# Allegro board WDMB-0007B-V02.brd (continued)
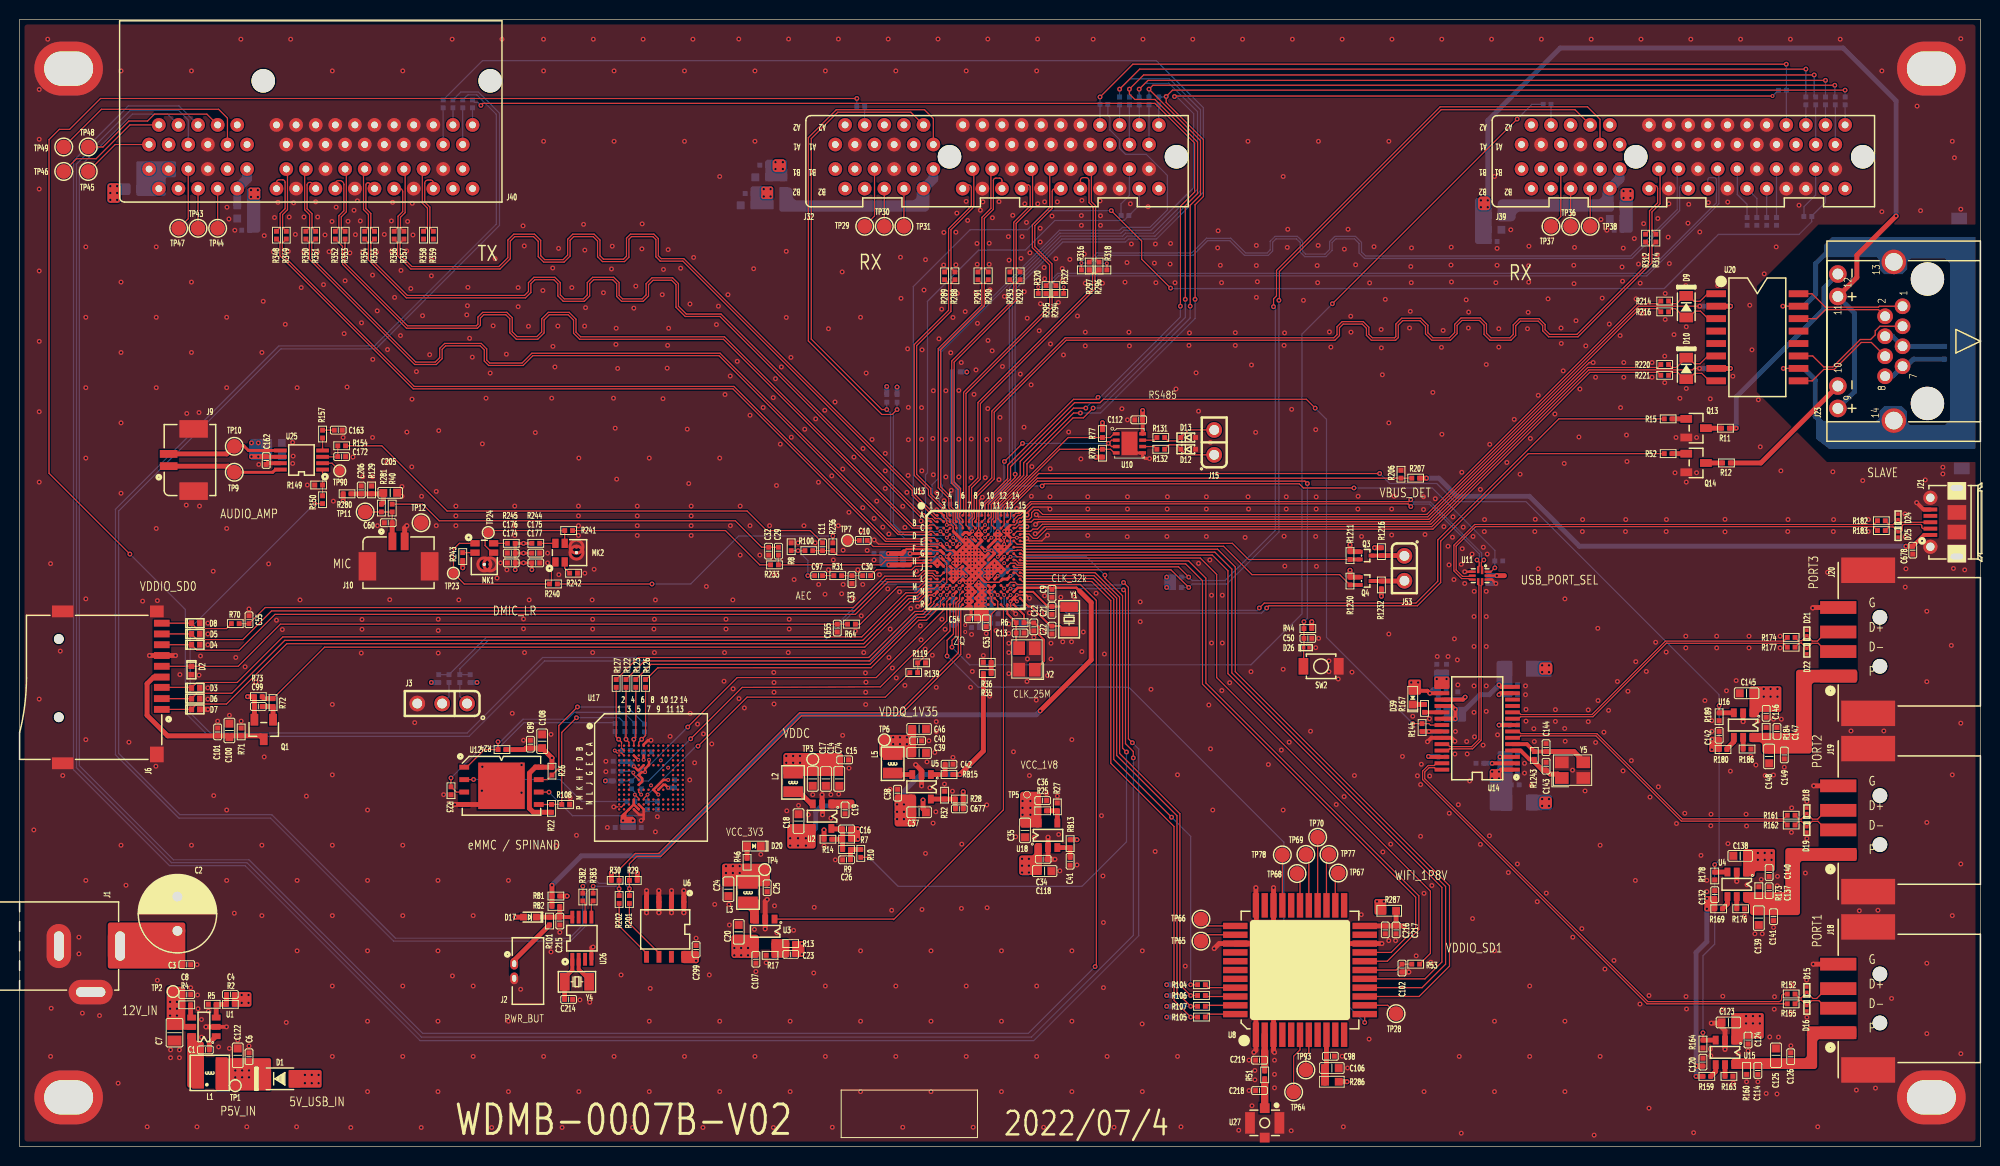
[diagram p0: board, top side]
## Routing (per net, layer and track width the routed paths; a pad name or vN(x,y) marks a point on that pad's centre or on a via; arc(x,y) is an arc through that point) (continued)
UART_CTS: length 3.2
  TOP w0.125: U8.41 121.25,16.2 R104.1
UART_RTS: length 3.2
  TOP w0.125: R105.1 121.25,13.5 U8.44
UART_RX: length 3.1
  TOP w0.125: U8.42 121.05,15.3 R106.1
UART_TX: length 3.1
  TOP w0.125: U8.43 121.05,14.4 R107.1
UPDATE: length 51.9
  TOP w0.125: v2(131,53.55) R44.2 C50.1 131,50.9 D26.N 130.97,49.02 SW2.1 ; U13.B13 101.08,64.08 101.08,65.15 103.83,67.9 131.1,67.9 v2(131.35,67.65)
  BOTTOM w0.125: v2(131,53.55) 131.35,53.9 v2(131.35,67.65)
USB_1P8V: length 13.8
  TOP w0.4: U14.20 v2(146.45,43.65) v2(146.45,44.6) 146.1,44.95 U14.18 ; U14.14 151.1,46.9 v2(150.9,47.1)
  BOTTOM w0.4: C672.2 v2(146.45,44.6) ; v2(146.45,43.65) 146.4,43.6 C670.2
  BOTTOM w0.5: C671.2 v2(150.9,47.1) 149.9,46.1 148.95,46.1 147.45,44.6 v2(146.45,44.6)
USB_3P3V: length 50.1
  TOP w0.25: U11.9 v2(150.68,58.25)
  TOP w0.4: v2(150.9,46.1) 151.05,46.25 U14.13 ; v2(150.9,38.25) 151.1,38.45 U14.1 ; v2(143.7,39.8) 143.75,39.75 U14.26 ; v2(151,39.75) U14.3 ; U14.16 v2(143.85,46.25) 143.6,46.5 D39.P ; U14.22 v2(143.75,42.35) ; U14.8 v2(150.9,43)
  TOP w0.5: v2(143.75,42.35) R144.2 ; v2(171,8.2) C120.1 ; 151.45,58.25 v2(150.68,58.25) ; v2(172.6,40.5) R180.2 C142.1 v2(172.6,41.55) ; R159.2 v2(171,7.15) ; v2(172.1,25.3) C132.1 R169.2 v2(172.1,24.25)
  BOTTOM w0.5: v2(143.7,39.8) 144.65,39.8 C669.2 ; C134.2 C130.2 C121.2 ; v2(142.65,47.35) v2(141.95,47.35) ; v2(143.85,46.25) 144.2,46.6 C136.2 R171.2 ; v2(171,7.15) v2(171,8.2) 171,19.8 172.1,20.9 v2(172.1,24.25) ; C127.2 v2(143.75,42.35) ; C121.2 151.15,38.05 150.95,38.25 v2(150.9,38.25) ; C121.2 152,36.9 151.85,36.9 ; v2(150.9,46.1) C133.2 ; v2(150.9,43) C135.2 ; v2(150.68,58.25) U11.9
  vias: v2(150.2,38.25) v2(150.2,37.55) v2(150.9,37.55)
USB_DM: length 52.5
  TOP w0.125: v2(141.9,65.3) 141.62,65.58 103.21,65.58 102.03,64.4 101.85,64.4 101.4,63.95 U13.B14 ; v2(148.65,59.85) 148.88,59.62 148.88,59.25 148.78,59.15 U11.2
  BOTTOM w0.125: v2(148.65,59.85) 148.9,60.1 148.9,60.46 143.81,65.55 142.15,65.55 v2(141.9,65.3)
USB_DP: length 52.6
  TOP w0.125: 149.18,58.8 149.18,59.15 149.1,59.23 149.1,59.6 v2(149.35,59.85) ; v2(141.9,66) 141.7,65.8 103.11,65.8 101.94,64.62 101.62,64.62 U13.A14
  BOTTOM w0.125: v2(149.35,59.85) 149.12,60.08 149.12,60.55 143.9,65.78 142.12,65.78 v2(141.9,66)
USB_PORT_SEL: length 61.4
  TOP w0.125: U11.10 150.07,58.65 v2(150.47,59.05) ; U13.E10 v1(99.12,62.12) ; v2(136.1,67.2) 130.95,67.2 130.53,67.62 104.53,67.62 v2(104.3,67.4)
  BOTTOM w0.125: v2(136.1,67.2) 144.1,67.2 150.47,60.83 R21.2 v2(150.47,59.05) ; v1(99.12,62.12) 99.35,62.35 99.35,65.45 101.3,67.4 v2(104.3,67.4)
USB_VBUS_P1: length 3.2
  TOP w0.125: 182.68,11.38 182.35,11.38
  TOP w0.5: J18.1 182.9,11.6 182.68,11.38
USB_VBUS_P2: length 15
  TOP w0.5: C141.1 178.83,23.86 178.83,24.1 177.4,24.1 R173.2 C137.1 180.85,25.7 181.25,26.1 181.25,29.4 184.37,29.4 J19.1
USB_VBUS_P3: length 18.4
  TOP w0.5: R184.2 178.15,40.7 178.45,40.6 C148.1 178.45,40.35 C149.1 ; R184.2 176.75,41.95 U16.6 ; R184.2 C147.1 181.75,41.95 181.75,48 J20.1
WG2_D0: length 35.4
  TOP w0.125: R1211.1 125.35,59.9 123.7,61.55 102.55,61.55 102.35,61.75 102.1,61.75 U13.E15
  TOP w0.4: R1211.1 Q3.S
WG2_D1: length 37.2
  TOP w0.125: U13.E14 101.75,61.45 102.3,61.45 102.5,61.25 122.8,61.25 125.7,58.35 134.65,58.35 R1230.1
  TOP w0.4: R1230.1 Q4.S
WG_DATA0: length 3.4
  TOP w0.4: R1216.1 Q3.D
  TOP w0.5: J53.1 141.22,60.3 R1216.1
WG_DATA1: length 3.4
  TOP w0.4: R1232.1 Q4.D
  TOP w0.5: J53.2 141.22,57.7 R1232.1
WIFI_1P8V: length 5.6
  TOP w0.5: U8.22 C216.1 C217.1 ; C217.1 R287.2 ; C217.1 v2(141.25,22.5)
WIFI_3P3V: length 5.1
  TOP w0.5: U8.9 C98.1 133.3,7.9 C106.1
  TOP w0.8: R286.2 C106.1
WIFI_ANT: length 4.5
  TOP w0.125: C219.1 126.88,8.14 127,8.01
  TOP w0.5: R51.1 127,8.32
  TOP w0.65: U8.2 127,9.72
  TOP w0.75: 127,9.72 127,8.32
WIFI_CHIP_EN: length 71.2
  TOP w0.125: U13.P5 95.25,55.65 95.25,52.3 94.6,51.65 v2(94.6,50.05) ; U8.12 v2(137.2,12.65)
  BOTTOM w0.125: v2(94.6,50.05) 97.78,46.88 113.12,46.88 128.95,31.05 128.95,20.9 v2(137.2,12.65)
WIFI_SD1_CLK: length 70.8
  TOP w0.125: U13.G14 101.72,60.17 102.17,60.17 102.3,60.05 120.42,60.05 122.1,58.38 122.1,47.85 143.9,26.05 143.9,19.7 R53.2
WIFI_SD1_CMD: length 79.5
  TOP w0.125: U8.16 143.35,17.1 145.07,18.82 145.07,26.43 123.25,48.25 123.25,58.75 121.65,60.35 102.35,60.35 102.2,60.5 U13.G15
WIFI_SD1_D0: length 71.5
  TOP w0.125: U8.18 139.5,18.9 142.72,22.12 142.72,25.57 121,47.3 121,58 119.25,59.75 102.75,59.75 102.7,59.8 102.1,59.8 U13.H15
WIFI_SD1_D1: length 70.8
  TOP w0.125: U13.H14 101.6,59.85 101.91,59.54 102.61,59.54 102.7,59.45 118.94,59.45 120.65,57.74 120.65,47.17 142.4,25.43 142.4,22.3 139.9,19.8 U8.19
WIFI_SD1_D2: length 83.2
  TOP w0.125: U13.F14 102.25,61.15 102.45,60.95 122.19,60.95 124,59.14 124,48.45 145.85,26.6 145.85,18.4 142.75,15.3 U8.14
WIFI_SD1_D3: length 82.4
  TOP w0.125: U13.G13 101.06,60.81 101.7,60.81 101.75,60.86 102.19,60.86 102.4,60.65 121.91,60.65 123.65,58.91 123.65,48.33 145.45,26.52 145.45,18.6 143.05,16.2 U8.15
WLED_PWM: length 234.5
  TOP w0.125: v1(94.58,56.27) U13.N4 ; v2(85.4,106.95) 8.25,106.95 5.1,103.8 4.05,103.8 3,102.75 3,68.7 v2(11.25,60.45)
  BOTTOM w0.125: v1(94.58,56.27) 94.58,55.95 92.92,54.3 91.55,54.3 86.8,49.55 53.55,49.55 45.85,41.85 19.3,41.85 16.9,44.25 16.9,54.8 v2(11.25,60.45) ; R282.1 v2(85.4,106.95)
YEL_C: length 20.7
  TOP w0.5: R11.1 v1(175.1,73.3)
  BOTTOM w0.5: v1(175.1,73.3) 175.1,76.5 184.05,85.45 184.05,87.62 J23.12
N17616778: length 2
  TOP w0.075: 61.4,40.15 60.95,40.15
  TOP w0.125: 60.95,40.15 v1(60.7,40.4) ; U17.C2 61.4,40.15
  BOTTOM w0.125: C150.2 v1(60.7,40.4)
N18295917: length 2.3
  TOP w0.125: U17.H5 63.15,37.42 62.6,37.98 v1(62.6,38.15)
  BOTTOM w0.125: R141.1 62.45,38.3 v1(62.6,38.15)
N18642102: length 3.7
  TOP w0.125: 127,6.35 126.88,6.22 C218.1
  TOP w0.5: 127,6.35 R51.2
  TOP w0.75: U27.1 127,6.35
N19124516: length 1.6
  TOP w0.5: R11.2 Q13.C
N19124521: length 1.7
  TOP w0.5: R12.2 Q14.C
N19124553: length 1.4
  TOP w0.5: R15.1 Q13.B
N19124558: length 1.4
  TOP w0.5: R52.1 Q14.B
N20257705: length 6.7
  TOP w0.125: R201.2 62.2,22.75 65.22,19.73 65.22,19.35
N20257708: length 6.6
  TOP w0.125: U6.5 63.95,19.7 61.15,22.5 R202.2
N20362794: length 1.2
  TOP w0.5: R46.2 D20.P
N20554700: length 5.1
  TOP w0.125: R100.2 v2(79.4,60.8) R8.2 ; C97.1 v2(80.4,58.25)
  BOTTOM w0.125: v2(80.4,58.25) 80.4,59.8 v2(79.4,60.8)
N20625789: length 6.1
  TOP w0.125: TP64.1 129.95,9.2 130.6,9.85 U8.6
N20625806: length 3.8
  TOP w0.125: TP65.1 121.15,21.6 U8.35
N20625808: length 3.8
  TOP w0.125: U8.34 121.2,22.5 TP66.1
N20625841: length 3.4
  TOP w0.125: TP67.1 134.2,27.6 U8.24
N20625867: length 3.4
  TOP w0.125: TP68.1 130.6,27.55 U8.28
N20625875: length 5.3
  TOP w0.125: U8.27 131.5,29.5 TP69.1
N20625883: length 6.9
  TOP w0.125: TP70.1 U8.26
N20625885: length 5.3
  TOP w0.125: TP77.1 133.3,29.55 U8.25
N20726718: length 2.7
  TOP w0.125: U25.1 R149.1 R150.2
N20726792: length 11.8
  TOP w0.3: TP9.1 25.81,68.8 26.09,69.08 U25.8
  TOP w0.5: TP9.1 21.27,69.42 J9.1
N20726805: length 2.1
  TOP w0.125: TP90.1 31.88,69.72 U25.2
N20726821: length 2.7
  TOP w0.125: R154.2 C172.2 32.42,70.38 U25.3
N20726855: length 1.3
  TOP w0.125: R157.1 U25.4
N20726861: length 11.9
  TOP w0.3: TP10.1 21.95,71.5 22.86,71.5 23.34,71.03 U25.5
  TOP w0.5: TP10.1 21.12,70.67 J9.2
N20800875: length 3.7
  TOP w0.125: TP93.1 131.2,9.3 131.5,9.6 U8.7
N20812882: length 1.2
  TOP w0.125: C163.2 R157.2
N21235092: length 5.4
  TOP w0.5: J2.1 50.45,19 R101.1
N21260480: length 1.1
  TOP w0.125: R31.1 C97.2
N21277696: length 2.4
  BOTTOM w0.125: R16.1 43.8,45.9 J3.2
N21277698: length 2.5
  BOTTOM w0.125: R33.1 44.9,45.94 J3.1
N21280532: length 4
  TOP w0.3: U13.G1 v2(90.83,60.5)
  BOTTOM w0.5: C31.2 C119.2 90.78,60.5
N21280589: length 7.4
  TOP w0.125: C10.1 87.08,61.23 93.53,61.23 U13.F2
N21280592: length 1.2
  TOP w0.125: TP7.1 C10.2
N21282324: length 1.2
  TOP w0.3: v1(97.17,62.12) U13.E8
  BOTTOM w0.4: 97.08,61.48 97.08,62.02 v1(97.17,62.12)
N21289025: length 1.8
  TOP w0.3: v1(99.78,58.23) U13.L11
  BOTTOM w0.3: v1(99.78,58.23) 100.2,58.23 100.8,58.83 C96.1
N21349326: length 1.7
  TOP w0.5: C1.1 19.35,10.55 U1.1
N21349457: length 3.4
  TOP w0.5: U1.3 R5.1 R2.2 C4.1
N21349526: length 1.4
  TOP w0.5: R4.1 17.45,13.15 U1.4
N21350659: length 2.2
  TOP w0.5: 74.3,24.8 74.7,24.8 74.72,24.82 75.1,24.45 U3.3
N21350752: length 3.6
  TOP w0.5: R17.1 76.95,20.65 U3.5 R13.2 C23.1
N21352044: length 2.5
  TOP w0.5: L2.1 79.5,36.2 80.75,34.95 U2.3
N21352151: length 4.4
  TOP w0.5: R7.2 R14.1 ; R7.2 C16.1 82.8,32.4 U2.5 ; R7.2 R9.2
N21352228: length 2.1
  TOP w0.5: R10.2 R9.1 C26.1
N21353900: length 2.3
  TOP w0.5: U18.4 R27.2 R25.1
N21353935: length 2.3
  TOP w0.5: U18.3 RB13.1 C41.1
N21354887: length 2.1
  TOP w0.5: L5.1 89.2,37.95 U5.3
N21354977: length 3.5
  TOP w0.5: C677.1 R28.1 R32.2 U5.5
N21354987: length 2.5
  TOP w0.5: U5.1 RB15.1 C42.1
N21386689: length 2.5
  TOP w0.5: R72.2 25.85,44.71 ; 25.85,44.71 25.66,44.9 C99.2 ; 25.85,44.71 Q1.G
N21392506: length 2.9
  TOP w0.4: U14.2 v2(150.2,39.1)
  BOTTOM w0.5: v2(150.2,39.1) R166.2
N21393427: length 5.1
  TOP w0.125: J21.3 191.88,63.7 D24.N 191.07,63.45 190.7,63.45 R182.1
N21393464: length 5.9
  TOP w0.125: R183.1 190.68,63.23 191.1,63.23 D25.N 191.85,62.73 arc(191.97,62.78) 192.03,62.9 192.03,63.3 arc(192.08,63.42) 192.2,63.48 193.88,63.48 arc(193.98,63.43) 194.03,63.33 194.03,63.2 arc(194.07,63.09) 194.18,63.05 J21.2
N21394692: length 5.8
  TOP w0.125: U20.1 172.17,87.02 171.4,86.25 170.8,86.25 170.25,86.8 D9.N 169.8,86.8 169,86 168.47,86 R214.1
N21394737: length 6.5
  BOTTOM w0.5: R218.1 192.06,81.65 J23.5 191.04,82.69 J23.4
N21394814: length 5.9
  TOP w0.125: U20.3 172.22,84.48 171.45,85.25 170.9,85.25 170.25,84.6 D9.P 169.81,84.6 168.91,85.5 168.53,85.5 R216.1
N21394834: length 2.9
  TOP w0.125: U20.15 v2(179.85,85.75)
  BOTTOM w0.125: R217.2 v2(179.85,85.75)
N21394880: length 6
  TOP w0.125: R220.1 168.5,79.5 169,79.5 D10.N 170.2,80.5 170.82,79.88 171.41,79.88 172.2,80.67 U20.6
N21394933: length 5.8
  TOP w0.125: R221.1 168.5,79 169.12,79 169.82,78.3 D10.P 170.25,78.3 170.85,78.9 171.58,78.9 172.35,78.13 U20.8
N21394964: length 2.9
  TOP w0.125: 181.55,79.4 U20.10 v2(179.9,79.4)
  BOTTOM w0.125: R222.2 v2(179.9,79.4)
N21394972: length 6.8
  BOTTOM w0.5: R223.1 193.18,80.35 192.47,79.65 192.09,79.65 J23.7 191.04,78.61 J23.8
N21396949: length 1.4
  TOP w0.125: MK2.2 55.6,59 R242.1
N21396953: length 1.2
  TOP w0.125: R243.1 MK1.2
N21398811: length 1.9
  BOTTOM w0.125: R282.2 J32.A4
N21398846: length 6.3
  TOP w0.125: TP29.1 86.2,93.95 87.2,94.95 J32.B5
N21398875: length 3.8
  TOP w0.125: J32.B6 TP30.1
N21398958: length 19.6
  BOTTOM w0.5: J32.B10 92.2,96.5 91.75,96.05 R1249.1 R283.1
  BOTTOM w1: J32.B10 93.2,98.75 J32.B11
N21399034: length 10.9
  TOP w0.125: J32.B12 96.58,98.12 96.83,98.12 arc(97,98.05) 97.08,97.88 97.08,95.97 94.75,93.65 94.75,89.65 R289.1
N21399043: length 11.7
  TOP w0.125: R288.1 95,89.65 95,93.55 97.33,95.87 97.33,99.62 J32.B13
N21399076: length 11.1
  TOP w0.125: R291.1 98.15,89.65 98.15,94.81 99.08,95.74 99.08,99.62 J32.B15
N21399085: length 11.9
  TOP w0.125: J32.B16 100.2,98.58 arc(100.13,98.75) 99.95,98.83 99.58,98.83 arc(99.4,98.75) 99.33,98.58 99.33,95.64 98.4,94.71 98.4,89.65 R290.1
N21399128: length 10.7
  TOP w0.125: J32.B18 102.58,98.12 102.88,98.12 arc(103.02,98.07) 103.08,97.92 103.08,95.99 101.4,94.31 101.4,89.65 R293.1
N21399137: length 11.4
  TOP w0.125: J32.B19 103.33,99.62 103.33,95.89 101.65,94.21 101.65,89.65 R292.1
N21399188: length 13.6
  TOP w0.125: J32.B21 105.08,99.62 105.08,95.84 103.3,94.06 103.3,91.72 105.05,89.97 105.05,88.2 R295.1
N21399201: length 12.3
  TOP w0.125: R294.1 105.3,88.25 105.3,90.08 103.55,91.83 103.55,93.96 105.33,95.73 105.33,97.45 arc(105.41,97.66) 105.62,97.75 J32.B22
N21399240: length 10.7
  TOP w0.125: J32.B24 108.2,98.6 arc(108.28,98.79) 108.47,98.88 108.78,98.88 arc(108.99,98.79) 109.08,98.58 109.08,96.32 109.5,95.9 109.5,90.65 R297.1
N21399251: length 9.9
  TOP w0.125: J32.B25 109.33,99.62 109.33,96.43 109.75,96 109.75,90.6 R296.1
N21399314: length 2
  BOTTOM w0.125: R300.2 J32.A28
N21399330: length 5.1
  BOTTOM w0.125: R691.2 112.35,96.2 113.2,97.05 J32.B29
N21399333: length 4
  BOTTOM w0.125: R301.2 J32.A29
N21399350: length 2
  BOTTOM w0.125: R302.2 J32.A30
N21399366: length 4
  BOTTOM w0.125: R303.1 J32.A31
N21399378: length 2
  BOTTOM w0.125: R304.1 J32.A32
N21399559: length 2.1
  BOTTOM w0.125: R307.2 J39.A4
N21399589: length 6.3
  TOP w0.125: TP37.1 157.2,94.9 J39.B5
N21399606: length 3.8
  TOP w0.125: J39.B6 TP36.1
N21399687: length 13.9
  BOTTOM w0.5: R310.1 152.1,95.95 R1248.1
  BOTTOM w1: J39.B10 163.2,98.75 J39.B11
N21399773: length 6.4
  TOP w0.125: J39.B12 166.53,98.08 166.78,98.08 arc(166.99,97.99) 167.07,97.78 167.07,96.3 166.25,95.48 166.25,93.5 R312.1
N21399789: length 7.2
  TOP w0.125: R314.1 166.5,93.5 166.5,95.37 167.32,96.2 167.32,99.62 J39.B13
N21399847: length 74.7
  TOP w0.125: R316.1 v1(108.3,90.15)
  BOTTOM w0.125: v1(108.3,90.15) 109.2,90.15 109.5,90.45 109.5,90.8 109.88,91.19 119.56,91.19 121.06,92.69 123.54,92.69 125.04,91.19 127.25,91.19 127.56,91.5 127.56,92.38 128.06,92.88 130.34,92.88 130.88,92.33 130.88,91.36 131.18,91.06 133.14,91.06 133.62,91.55 133.62,92.34 134.16,92.88 136.26,92.88 136.88,92.26 136.88,91.29 137.29,90.88 164.34,90.88 169.07,95.61 169.07,99.62 J39.B15
N21399863: length 73.8
  TOP w0.125: R318.1 v1(110.9,90.12)
  BOTTOM w0.125: J39.B16 169.88,98.08 169.53,98.08 arc(169.38,98.02) 169.32,97.88 169.32,95.51 164.44,90.62 137.18,90.62 136.62,91.18 136.62,92.15 136.15,92.62 134.26,92.62 133.88,92.24 133.88,91.44 133.24,90.81 131.07,90.81 130.62,91.26 130.62,92.23 130.23,92.62 128.16,92.62 127.81,92.28 127.81,91.39 127.36,90.94 124.94,90.94 123.44,92.44 121.17,92.44 119.67,90.94 109.99,90.94 109.75,90.7 109.75,90.38 110,90.12 v1(110.9,90.12)
N21399921: length 78.1
  TOP w0.125: R320.1 v1(103.9,87.7)
  BOTTOM w0.125: J39.B18 172.2,98.67 arc(172.26,98.82) 172.4,98.88 172.82,98.88 arc(173,98.8) 173.07,98.62 173.07,96.3 165.88,89.1 105.89,89.1 105.25,88.46 105.25,87.88 105.07,87.7 v1(103.9,87.7)
N21399937: length 76.8
  TOP w0.125: R322.1 v1(106.5,87.7)
  BOTTOM w0.125: v1(106.5,87.7) 105.75,87.7 105.5,87.95 105.5,88.36 105.99,88.85 165.98,88.85 173.32,96.19 173.32,99.62 J39.B19
N21399992: length 5.4
  BOTTOM w0.125: J39.B21 175.2,97.15 176.2,96.15 R324.1
N21400005: length 3.4
  BOTTOM w0.125: J39.B22 177.2,96.75 R326.1
N21400060: length 3
  BOTTOM w0.125: R328.1 J39.B24
N21400073: length 5
  BOTTOM w0.125: R330.1 J39.B25
N21400163: length 5.3
  BOTTOM w0.125: R690.2 182,95.9 183.2,97.1 J39.B29
N21400166: length 4
  BOTTOM w0.125: R334.2 J39.A29
N21400183: length 2
  BOTTOM w0.125: R335.2 J39.A30
N21400199: length 4
  BOTTOM w0.125: R336.1 J39.A31
N21400211: length 2
  BOTTOM w0.125: R338.1 J39.A32
N21401311: length 4.4
  BOTTOM w1: J40.B3 J40.B1 13.2,98.75 J40.B2
N21401315: length 7.3
  TOP w0.125: J40.A1 9.75,102.25 TP45.1
N21401331: length 11.7
  TOP w0.125: TP46.1 5.8,100.8 7.8,100.8 11.25,104.25 J40.A2
N21401371: length 6.5
  TOP w0.125: J40.B5 17.2,94.67 TP47.1
N21401388: length 4
  TOP w0.125: TP43.1 J40.B6
N21401445: length 21.4
  TOP w0.125: TP49.1 8.35,105.85 20.3,105.85 21.2,104.95 J40.A9
N21401447: length 4.1
  BOTTOM w0.8: J40.B10 R347.2
  BOTTOM w1: J40.B10 23.2,98.75 J40.B11
N21401721: length 6.8
  TOP w0.125: R358.2 41.6,93.8 41.6,95.75 41.08,96.27 41.08,99.62 J40.B27
N21401727: length 7.1
  TOP w0.125: J40.B28 42.2,98.35 arc(42.12,98.54) 41.92,98.62 41.65,98.62 arc(41.42,98.53) 41.33,98.3 41.33,96.39 41.85,95.87 41.85,93.75 R359.2
N21401746: length 3.8
  BOTTOM w0.125: R360.1 J40.A29
N21401761: length 1.8
  BOTTOM w0.125: R361.1 J40.A30
N21401776: length 3.8
  BOTTOM w0.125: R362.1 J40.A31
N21401791: length 1.8
  BOTTOM w0.125: R363.1 J40.A32
N21402974: length 4.4
  TOP w0.4: U26.1 56.38,17.97 55.6,17.2 Y4.2
  TOP w0.5: C214.1 Y4.2
N21403035: length 2.7
  TOP w0.4: U26.2 57.02,18.07 58.1,17 Y4.1
N21413149: length 5.5
  TOP w0.125: R152.1 181.5,15.15 181.72,15.15 D15.N 182.93,15.1 183.3,15.1 184.3,16.1 J18.3
N21413150: length 5.3
  TOP w0.125: R155.1 181.47,14.93 181.75,14.93 D16.N 182.8,14.88 183.53,14.88 184.3,14.1 J18.2
N21414157: length 5.4
  TOP w0.125: J19.3 184.3,34.3 183.4,33.4 182.88,33.4 D18.N 181.72,33.4 181.5,33.4 R161.1
N21414158: length 5.4
  TOP w0.125: R162.1 181.47,33.17 181.75,33.17 D19.N 182.85,33.17 183.43,33.17 184.3,32.3 J19.2
N21416553: length 5.4
  TOP w0.125: R177.1 181.53,51.38 181.75,51.38 D22.N 182.82,51.35 183.45,51.35 184.3,50.5 J20.2
N21416554: length 5.4
  TOP w0.125: J20.3 184.3,52.5 183.38,51.58 182.85,51.58 D21.N 181.78,51.6 181.45,51.6 R174.1
N21422160: length 1.4
  TOP w0.5: R159.1 173,7.65 U15.4
N21422285: length 1.2
  TOP w0.5: R163.2 U15.5
N21422386: length 1.5
  TOP w0.5: U4.4 174.2,24.75 R169.1
N21422501: length 1.2
  TOP w0.5: R176.2 U4.5
N21422606: length 1.5
  TOP w0.5: U16.4 174.85,41.3 174.15,40.6 R180.1
N21422721: length 1.2
  TOP w0.5: R186.2 U16.5
N21426577: length 2
  BOTTOM w0.125: R57.2 J39.A28
N21617271: length 1.2
  TOP w0.5: R167.2 D39.N
N21872674: length 1.8
  TOP w0.4: R167.1 U14.19
N21906407: length 4.2
  TOP w0.125: v1(95.88,56.92) U13.M6
  BOTTOM w0.125: TP13.1 95.88,54.02 v1(95.88,56.92)
N22085012: length 2.6
  TOP w0.5: 172.95,79.4 U20.7 v2(174.5,79.4)
  BOTTOM w0.5: C93.1 v2(174.5,79.4)
N22085108: length 2.5
  TOP w0.125: v2(174.53,85.75) 174.51,85.74 174.5,85.75
  TOP w0.5: 172.95,85.75 U20.2 174.5,85.75
  BOTTOM w0.5: C91.1 v2(174.53,85.75)
N22126750: length 4.7
  TOP w0.125: v1(99.78,56.27) U13.N11
  BOTTOM w0.125: v1(99.78,56.27) 100.15,55.9 100.15,55.05 101.75,53.45 TP8.1
N22129982: length 6.5
  TOP w0.125: C30.2 87.41,58.85 90.98,58.85 91.33,59.2 91.72,59.2 U13.J1
N206260310: length 5.1
  TOP w0.125: TP78.1 U8.30
N212323410: length 3.6
  TOP w0.125: U8.13 139.55,14.4 TP28.1
N213968983: length 1.6
  TOP w0.125: R244.1 MK2.5
N213969093: length 1.5
  TOP w0.125: 49.85,61.55 R245.1 MK1.5
N2139875339: length 3.8
  TOP w0.125: J32.B8 TP31.1
N2139946739: length 3.8
  TOP w0.125: J39.B8 TP38.1
N2140128924: length 15
  TOP w0.125: TP48.1 8.5,102 11.15,104.65 13.05,104.65 13.75,105.35 19.1,105.35 J40.A8
N2140128939: length 4
  TOP w0.125: TP44.1 J40.B8

## Copper pours and planes (outline as drawn; the poured copper is in the pictures)
12V_IN on TOP (solid shape): 16.7,16.3 16.84,16.24 16.9,16.1 16.9,12.5 18,12.5 18,12.1 17.94,11.96 17.8,11.9 15,11.9 15,16.1 15.06,16.24 15.2,16.3
12V_IN on POWER: outline of 90 points within 0.97,0.8 17.7,113.8
GND on TOP (solid shape): outline of 116 points within 46.59,58.59 48.21,60.21
GND on TOP (solid shape): outline of 116 points within 55.99,59.79 57.61,61.41
GND on TOP: 183.47,94.08 177.2,87.8 177.2,77 180.69,73.51 180.72,73.44 180.69,73.37 177.48,70.15 177.45,70.13 177.41,70.12 174.25,70.12 174.22,70.12 174.17,70.1 174.15,70.1 174.05,70.1 174.03,70.1 173.98,70.12 173.95,70.12 172.81,70.12 172.75,70.14 172.67,70.25 172.6,70.28 171.4,70.28 171.31,70.24 171.28,70.15 171.28,69.35 171.31,69.26 171.4,69.22 172.6,69.22 172.67,69.25 172.75,69.36 172.81,69.38 173.95,69.38 173.98,69.38 174.03,69.4 174.05,69.4 174.15,69.4 174.17,69.4 174.22,69.38 174.25,69.38 177.6,69.38 177.75,69.4 177.87,69.48 181.22,72.84 181.29,72.87 181.36,72.84 184.35,69.85 199.4,69.85 199.47,69.82 199.5,69.75 199.5,0.8 199.41,0.59 199.2,0.5 0.8,0.5 0.59,0.59 0.5,0.8 0.5,114.2 0.59,114.41 0.8,114.5 199.2,114.5 199.41,114.41 199.5,114.2 199.5,94.17 199.47,94.1 199.4,94.08 191.3,94.08 191.2,94.14 191.23,94.25 191.66,94.68 191.67,95.22 191.13,95.21 190.02,94.1 189.99,94.08 189.95,94.08 ; 55 cut-outs
GND on BOTTOM: 177.03,77.9 177.14,77.92 177.2,77.83 177.2,77 184.35,69.85 197.11,69.85 197.16,69.84 197.2,69.8 199,69.8 199.04,69.84 199.09,69.85 199.4,69.85 199.47,69.82 199.5,69.75 199.5,0.8 199.41,0.59 199.2,0.5 0.8,0.5 0.59,0.59 0.5,0.8 0.5,114.2 0.59,114.41 0.8,114.5 199.2,114.5 199.41,114.41 199.5,114.2 199.5,94.17 199.47,94.1 199.4,94.08 198.79,94.08 198.76,94.08 198.72,94.1 196.93,94.1 196.89,94.08 196.86,94.08 183.47,94.08 177.2,87.8 177.2,79.17 177.19,79.13 177.17,79.1 174.83,76.77 174.75,76.64 174.72,76.5 174.72,73.3 175.1,72.92 175.47,73.3 175.47,76.3 175.48,76.34 175.5,76.37 ; 21 cut-outs
GND on GND: 183.47,94.08 177.2,87.8 177.2,77 184.35,69.85 199.4,69.85 199.47,69.82 199.5,69.75 199.5,0.8 199.41,0.59 199.2,0.5 0.8,0.5 0.59,0.59 0.5,0.8 0.5,114.2 0.59,114.41 0.8,114.5 199.2,114.5 199.41,114.41 199.5,114.2 199.5,94.17 199.47,94.1 199.4,94.08
GND on POWER: outline of 110 points within 103.3,86.05 198.97,113.8
P5V_IN on POWER: outline of 1104 points within 10.7,0.8 188.1,113.8
VCC_+1.8V on TOP (solid shape): 61.9,33.65 62.55,33.65 62.8,33.4 62.8,33 61.3,33 61.3,33.75 61.6,34.05 61.9,34.05
VCC_+1.8V on BOTTOM (solid shape): 156.25,47.95 153.65,47.95 153.65,49.55 156.25,49.55
VDDC on POWER: outline of 191 points within 77.1,30.85 99.3,59.25
VDDQ_1.35V on TOP (solid shape): 98.85,54.75 98.85,53.6 97.35,53.6 97.35,55.15 98.45,55.15
CHASSI_GND on BOTTOM (solid shape): 199.5,71.2 184.55,71.2 183.25,72.2 183.25,74.05 189.4,74.05 189.7,74.35 189.7,75.05 190.2,75.55 192,75.55 192.5,75.05 192.5,73.95 192.8,73.65 196.4,73.65 196.9,74.15 196.9,90.1 196.4,90.6 192.85,90.6 192.55,90.3 192.55,89.5 192.05,89 190.2,89 189.7,89.5 189.7,90.45 189.4,90.75 184.05,90.75 184.05,92 184.85,92.8 199.5,92.8
SPI_VCC on POWER: outline of 1022 points within 19.9,6.25 184.3,107.05
USB_3P3V on POWER: outline of 126 points within 139.9,23.8 173.5,58.85
N21350659 on TOP (solid shape): 75.4,25.15 75.4,22.75 74.6,22.75 74.5,22.85 74.5,23.95 74.3,24.15 73.5,24.15 73.3,24.35 73.3,25.25 75.3,25.25
5V_USB_IN on TOP (solid shape): 30.6,7.8 30.74,7.74 30.8,7.6 30.8,6.2 30.74,6.06 30.6,6 27.65,6 27.51,6.06 27.45,6.2 27.45,7.6 27.51,7.74 27.65,7.8
5V_USB_IN on BOTTOM (solid shape): 30.5,7.55 30.68,7.48 30.75,7.3 30.75,6.45 30.68,6.27 30.5,6.2 29.1,6.2 28.92,6.27 28.85,6.45 28.85,7.3 28.92,7.48 29.1,7.55
5V_USB_IN on POWER: outline of 89 points within 28.2,0.8 198.97,69.3
12V_IN on TOP (solid shape): 16.65,22.85 16.83,22.78 16.9,22.6 16.9,18.4 16.83,18.22 16.65,18.15 9.25,18.15 9.07,18.22 9,18.4 9,22.6 9.07,22.78 9.25,22.85
12V_IN on TOP (solid shape): 9.93,98.3 10.19,98.19 10.3,97.92 10.3,96.67 10.19,96.41 9.93,96.3 9.32,96.3 9.06,96.41 8.95,96.67 8.95,97.92 9.06,98.19 9.32,98.3
12V_IN on BOTTOM (solid shape): 16.05,15 16.23,14.93 16.3,14.75 16.3,13.3 16.23,13.12 16.05,13.05 15.35,13.05 15.17,13.12 15.1,13.3 15.1,14.75 15.17,14.93 15.35,15
12V_IN on BOTTOM (solid shape): 11.1,98.3 11.24,98.24 11.3,98.1 11.3,97.3 11.24,97.16 11.1,97.1 10.5,97.1 10.36,97.04 10.3,96.9 10.3,96.5 10.24,96.36 10.1,96.3 9.15,96.3 9.01,96.36 8.95,96.5 8.95,98.1 9.01,98.24 9.15,98.3
GND on TOP: 103.75,62.27 103.72,62.25 103.68,62.24 103.52,62.24 103.48,62.25 103.45,62.27 103.23,62.48 103.21,62.56 103.24,62.63 103.26,62.64 103.4,62.78 103.43,62.8 103.47,62.81 103.83,62.81 103.9,62.83 103.96,62.87 104.37,63.28 104.41,63.3 104.44,63.31 104.56,63.31 104.65,63.25 104.62,63.14 104.62,63.13
GND on POWER: 152.67,68.6 152.85,68.28 152.89,68.24 152.9,68.2 152.9,59.55 152.81,59.34 152.6,59.25 150.84,59.25 150.8,59.26 150.77,59.29 150.47,59.43 150.18,59.29 150.15,59.26 150.11,59.25 141.7,59.25 141.6,59.33 141.66,59.44 141.25,61.19 140.84,59.44 140.9,59.33 140.8,59.25 140.2,59.25 139.99,59.34 139.9,59.55 139.9,68.95 139.99,69.16 140.2,69.25 152.6,69.25 152.78,69.19 152.89,69.02 152.89,68.96 152.85,68.92
GND_SIGNAL on BOTTOM (solid shape): 89.3,60.75 89.48,60.68 89.55,60.5 89.55,59.35 89.48,59.17 89.3,59.1 87.95,59.1 87.77,59.17 87.7,59.35 87.7,60.5 87.77,60.68 87.95,60.75
P5V_IN on TOP (solid shape): 24.35,97.85 24.49,97.79 24.55,97.65 24.55,96.85 24.49,96.71 24.35,96.65 23.55,96.65 23.41,96.71 23.35,96.85 23.35,97.65 23.41,97.79 23.55,97.85
P5V_IN on TOP (solid shape): 25.45,9 25.59,8.94 25.65,8.8 25.65,5.9 25.59,5.76 25.45,5.7 20.2,5.7 20.06,5.76 20,5.9 20,8.8 20.06,8.94 20.2,9
P5V_IN on TOP (solid shape): 145.65,47.95 145.79,47.89 145.85,47.75 145.85,46.9 145.79,46.76 145.65,46.7 144.5,46.7 144.36,46.76 144.3,46.9 144.3,47.75 144.36,47.89 144.5,47.95
P5V_IN on TOP (solid shape): 23.4,15.75 23.58,15.68 23.65,15.5 23.65,14.5 23.58,14.32 23.4,14.25 21.9,14.25 21.72,14.32 21.65,14.5 21.65,15.5 21.72,15.68 21.9,15.75
P5V_IN on TOP (solid shape): 84.9,35.4 85.08,35.33 85.15,35.15 85.15,34.75 85.08,34.57 84.9,34.5 82.75,34.5 82.57,34.57 82.5,34.75 82.5,35.15 82.57,35.33 82.75,35.4
P5V_IN on TOP (solid shape): 75.1,21.6 75.31,21.51 75.4,21.3 75.4,19.55 75.31,19.34 75.1,19.25 72.9,19.25 72.69,19.34 72.6,19.55 72.6,21.3 72.69,21.51 72.9,21.6
P5V_IN on TOP (solid shape): 80.9,32.9 81.11,32.81 81.2,32.6 81.2,30.7 81.11,30.49 80.9,30.4 78.6,30.4 78.39,30.49 78.3,30.7 78.3,32.6 78.39,32.81 78.6,32.9
P5V_IN on TOP (solid shape): 91.15,35.9 91.36,35.81 91.45,35.6 91.45,32.95 91.36,32.74 91.15,32.65 89.55,32.65 89.34,32.74 89.25,32.95 89.25,35.6 89.34,35.81 89.55,35.9
P5V_IN on TOP (solid shape): 77.78,100.75 78.04,100.64 78.15,100.38 78.15,99.83 78.04,99.56 77.78,99.45 77.17,99.45 76.91,99.56 76.8,99.83 76.8,100.38 76.91,100.64 77.17,100.75
P5V_IN on TOP (solid shape): 164.28,97.8 164.54,97.69 164.65,97.42 164.65,96.88 164.54,96.61 164.28,96.5 163.68,96.5 163.41,96.61 163.3,96.88 163.3,97.42 163.41,97.69 163.68,97.8
P5V_IN on TOP (solid shape): 177.7,13.6 177.84,13.54 177.9,13.4 177.9,11.2 177.84,11.06 177.7,11 175.95,11 175.81,10.94 175.75,10.8 175.75,10.6 175.69,10.46 175.55,10.4 174.8,10.4 174.66,10.46 174.6,10.6 174.6,13.4 174.66,13.54 174.8,13.6
P5V_IN on TOP (solid shape): 178.85,30.35 178.99,30.29 179.05,30.15 179.05,28.3 178.99,28.16 178.85,28.1 177.2,28.1 177.06,28.04 177,27.9 177,27.75 176.94,27.61 176.8,27.55 176,27.55 175.86,27.61 175.8,27.75 175.8,30.15 175.86,30.29 176,30.35
P5V_IN on TOP (solid shape): 179.5,46.95 179.64,46.89 179.7,46.75 179.7,44.55 179.64,44.41 179.5,44.35 177.6,44.35 177.46,44.29 177.4,44.15 177.4,44 177.34,43.86 177.2,43.8 176.65,43.8 176.51,43.86 176.45,44 176.45,46.75 176.51,46.89 176.65,46.95
P5V_IN on TOP (solid shape): 103.95,30.95 104.16,30.86 104.25,30.65 104.25,28 104.16,27.79 103.95,27.7 102.25,27.7 102.04,27.79 101.95,28 101.95,29.4 102.04,29.61 102.25,29.7 103.2,29.7 103.41,29.79 103.5,30 103.5,30.65 103.59,30.86 103.8,30.95
P5V_IN on BOTTOM (solid shape): 145.6,48.65 145.74,48.59 145.8,48.45 145.8,47.6 145.74,47.46 145.6,47.4 144.5,47.4 144.36,47.46 144.3,47.6 144.3,48.45 144.36,48.59 144.5,48.65
P5V_IN on BOTTOM (solid shape): 177.6,13.55 177.74,13.49 177.8,13.35 177.8,12.45 177.74,12.31 177.6,12.25 176,12.25 175.86,12.31 175.8,12.45 175.8,13.35 175.86,13.49 176,13.55
P5V_IN on BOTTOM (solid shape): 178.8,30.2 178.94,30.14 179,30 179,29.2 178.94,29.06 178.8,29 177.2,29 177.06,29.06 177,29.2 177,30 177.06,30.14 177.2,30.2
P5V_IN on BOTTOM (solid shape): 179.4,46.95 179.54,46.89 179.6,46.75 179.6,45.8 179.54,45.66 179.4,45.6 177.8,45.6 177.66,45.66 177.6,45.8 177.6,46.75 177.66,46.89 177.8,46.95
P5V_IN on BOTTOM (solid shape): 23.35,15.7 23.53,15.63 23.6,15.45 23.6,14.65 23.53,14.47 23.35,14.4 22.65,14.4 22.47,14.47 22.4,14.65 22.4,15.45 22.47,15.63 22.65,15.7
P5V_IN on BOTTOM (solid shape): 23.4,8 23.58,7.93 23.65,7.75 23.65,7.05 23.58,6.87 23.4,6.8 22,6.8 21.82,6.87 21.75,7.05 21.75,7.75 21.82,7.93 22,8
P5V_IN on BOTTOM (solid shape): 74.3,20.5 74.48,20.43 74.55,20.25 74.55,19.5 74.48,19.32 74.3,19.25 72.9,19.25 72.72,19.32 72.65,19.5 72.65,20.25 72.72,20.43 72.9,20.5
P5V_IN on BOTTOM (solid shape): 80.2,31.7 80.38,31.63 80.45,31.45 80.45,30.7 80.38,30.52 80.2,30.45 78.6,30.45 78.42,30.52 78.35,30.7 78.35,31.45 78.42,31.63 78.6,31.7
P5V_IN on BOTTOM (solid shape): 90.2,35.15 90.38,35.08 90.45,34.9 90.45,33.4 90.38,33.22 90.2,33.15 89.5,33.15 89.32,33.22 89.25,33.4 89.25,34.9 89.32,35.08 89.5,35.15
P5V_IN on BOTTOM (solid shape): 24.25,97.85 24.46,97.76 24.55,97.55 24.55,93.55 24.46,93.34 24.25,93.25 23.5,93.25 23.29,93.34 23.2,93.55 23.2,97.55 23.29,97.76 23.5,97.85
P5V_IN on BOTTOM (solid shape): 78,100.7 78.21,100.61 78.3,100.4 78.3,98.8 78.21,98.59 78,98.5 76.35,98.5 76.14,98.59 76.05,98.8 76.05,100.4 76.14,100.61 76.35,100.7
P5V_IN on BOTTOM (solid shape): 164.25,97.75 164.46,97.66 164.55,97.45 164.55,93.55 164.46,93.34 164.25,93.25 163.5,93.25 163.29,93.34 163.2,93.55 163.2,97.45 163.29,97.66 163.5,97.75
P5V_IN on BOTTOM (solid shape): 25.38,72.2 25.64,72.09 25.75,71.83 25.75,70.42 25.64,70.16 25.38,70.05 23.77,70.05 23.51,70.16 23.4,70.42 23.4,71.83 23.51,72.09 23.77,72.2
P5V_IN on BOTTOM (solid shape): 102.88,29.65 103.14,29.54 103.25,29.27 103.25,28.02 103.14,27.76 102.88,27.65 102.33,27.65 102.06,27.76 101.95,28.02 101.95,29.27 102.06,29.54 102.33,29.65
VCC_+1.8V on TOP (solid shape): 139.2,25.25 139.34,25.19 139.4,25.05 139.4,23.85 139.34,23.71 139.2,23.65 138.4,23.65 138.26,23.71 138.2,23.85 138.2,25.05 138.26,25.19 138.4,25.25
VCC_+1.8V on TOP (solid shape): 103.9,36.2 104.11,36.11 104.2,35.9 104.2,32.85 104.11,32.64 103.9,32.55 102.35,32.55 102.14,32.64 102.05,32.85 102.05,35.9 102.14,36.11 102.35,36.2
VCC_+1.8V on TOP (solid shape): 155.97,49.4 156.24,49.29 156.35,49.02 156.35,48.52 156.24,48.26 155.97,48.15 155.38,48.15 155.11,48.26 155,48.52 155,49.02 155.11,49.29 155.38,49.4
VCC_+1.8V on BOTTOM (solid shape): 117.75,58.35 117.89,58.29 117.95,58.15 117.95,57 117.89,56.86 117.75,56.8 116.95,56.8 116.81,56.86 116.75,57 116.75,58.15 116.81,58.29 116.95,58.35
VCC_+1.8V on BOTTOM (solid shape): 62.6,33.5 62.78,33.43 62.85,33.25 62.85,32.55 62.78,32.37 62.6,32.3 61.55,32.3 61.37,32.37 61.3,32.55 61.3,33.25 61.37,33.43 61.55,33.5
VCC_+1.8V on BOTTOM (solid shape): 103.03,35.7 103.29,35.59 103.4,35.33 103.4,33.88 103.29,33.61 103.03,33.5 102.42,33.5 102.16,33.61 102.05,33.88 102.05,35.33 102.16,35.59 102.42,35.7
VCC_+1.8V on POWER: outline of 521 points within 42.9,12.65 160.1,79.65
VDDC on TOP (solid shape): 83.7,40.15 83.91,40.06 84,39.85 84,38.1 83.91,37.89 83.7,37.8 78.2,37.8 77.99,37.89 77.9,38.1 77.9,39.85 77.99,40.06 78.2,40.15
VDDC on TOP (solid shape): 85.45,32.65 85.66,32.56 85.75,32.35 85.75,31.4 85.66,31.19 85.45,31.1 84.8,31.1 84.59,31.19 84.5,31.4 84.5,32.35 84.59,32.56 84.8,32.65
VDDC on BOTTOM (solid shape): 96.55,59.08 96.69,59.02 96.75,58.88 96.75,58.23 96.69,58.08 96.55,58.02 95.18,58.02 95.11,58.04 95.04,58.08 94.63,58.49 94.57,58.53 94.49,58.55 94.35,58.55 94.35,58.88 94.41,59.02 94.55,59.08
VDDC on BOTTOM (solid shape): 79.6,40.1 79.78,40.03 79.85,39.85 79.85,39.15 79.78,38.97 79.6,38.9 78.2,38.9 78.02,38.97 77.95,39.15 77.95,39.85 78.02,40.03 78.2,40.1
VDDC on BOTTOM (solid shape): 98.85,59.7 98.99,59.64 99.05,59.5 99.05,59.25 99.11,59.11 99.25,59.05 99.85,59.05 99.99,58.99 100.05,58.85 100.05,58.8 99.99,58.66 99.85,58.6 99.73,58.6 99.66,58.58 99.59,58.54 99.13,58.08 99.07,58.04 98.99,58.02 97.75,58.02 97.61,58.08 97.55,58.23 97.55,58.85 97.61,58.99 97.75,59.05 98.35,59.05 98.49,59.11 98.55,59.25 98.55,59.5 98.61,59.64 98.75,59.7
VDDQ_1.35V on TOP (solid shape): 91.15,43 91.36,42.91 91.45,42.7 91.45,40 91.36,39.79 91.15,39.7 88,39.7 87.79,39.79 87.7,40 87.7,41.7 87.79,41.91 88,42 90.35,42 90.56,42.09 90.65,42.3 90.65,42.7 90.74,42.91 90.95,43
VDDQ_1.35V on BOTTOM (solid shape): 90.5,42 90.68,41.93 90.75,41.75 90.75,41.05 90.68,40.87 90.5,40.8 89.1,40.8 88.92,40.87 88.85,41.05 88.85,41.75 88.92,41.93 89.1,42
VDDQ_1.35V on BOTTOM (solid shape): 98.47,57.8 98.62,57.74 98.67,57.6 98.67,54.96 98.66,54.88 98.62,54.82 98.46,54.66 98.42,54.59 98.4,54.52 98.4,52.9 98.34,52.76 98.2,52.7 97.85,52.7 97.71,52.76 97.65,52.9 97.65,57.6 97.71,57.74 97.85,57.8
VDDQ_1.35V on POWER: outline of 113 points within 87.2,35.75 98.7,57.77
SPI_VCC on TOP (solid shape): 76.65,97.95 76.79,97.89 76.85,97.75 76.85,96.9 76.79,96.76 76.65,96.7 75.85,96.7 75.71,96.76 75.65,96.9 75.65,97.75 75.71,97.89 75.85,97.95
SPI_VCC on TOP (solid shape): 79.85,20.95 79.99,20.89 80.05,20.75 80.05,19.55 79.99,19.41 79.85,19.35 79,19.35 78.86,19.41 78.8,19.55 78.8,20.75 78.86,20.89 79,20.95
SPI_VCC on TOP (solid shape): 76.25,28.85 76.43,28.78 76.5,28.6 76.5,26.8 76.43,26.62 76.25,26.55 71.9,26.55 71.72,26.62 71.65,26.8 71.65,28.6 71.72,28.78 71.9,28.85
SPI_VCC on TOP (solid shape): 69,19.95 69.21,19.86 69.3,19.65 69.3,19 69.21,18.79 69,18.7 67.8,18.7 67.59,18.79 67.5,19 67.5,19.65 67.59,19.86 67.8,19.95
SPI_VCC on TOP (solid shape): 149.62,96.95 149.89,96.84 150,96.58 150,95.92 149.89,95.66 149.62,95.55 149.12,95.55 148.86,95.66 148.75,95.92 148.75,96.58 148.86,96.84 149.12,96.95
SPI_VCC on TOP (solid shape): 155.93,35.7 156.19,35.59 156.3,35.33 156.3,34.83 156.19,34.56 155.93,34.45 155.38,34.45 155.11,34.56 155,34.83 155,35.33 155.11,35.59 155.38,35.7
SPI_VCC on BOTTOM (solid shape): 73.45,28.85 73.63,28.78 73.7,28.6 73.7,27.9 73.63,27.72 73.45,27.65 72.05,27.65 71.87,27.72 71.8,27.9 71.8,28.6 71.87,28.78 72.05,28.85
SPI_VCC on BOTTOM (solid shape): 76.6,98 76.81,97.91 76.9,97.7 76.9,95.95 76.81,95.74 76.6,95.65 74.85,95.65 74.64,95.74 74.55,95.95 74.55,97.7 74.64,97.91 74.85,98
SPI_VCC on BOTTOM (solid shape): 149.85,96.8 150.06,96.71 150.15,96.5 150.15,92.4 150.06,92.19 149.85,92.1 148.75,92.1 148.54,92.19 148.45,92.4 148.45,96.5 148.54,96.71 148.75,96.8
SPI_VCC on BOTTOM (solid shape): 156,35.9 156.21,35.81 156.3,35.6 156.3,34.6 156.21,34.39 156,34.3 153.95,34.3 153.74,34.39 153.65,34.6 153.65,35.6 153.74,35.81 153.95,35.9
USB_1P8V on BOTTOM (solid shape): 147.35,44.85 147.49,44.79 147.55,44.65 147.55,43.55 147.49,43.41 147.35,43.35 145.45,43.35 145.31,43.41 145.25,43.55 145.25,44.65 145.31,44.79 145.45,44.85
USB_1P8V on BOTTOM (solid shape): 152.05,49.55 152.19,49.49 152.25,49.35 152.25,47.05 152.19,46.91 152.05,46.85 150.85,46.85 150.71,46.91 150.65,47.05 150.65,49.35 150.71,49.49 150.85,49.55
USB_3P3V on TOP (solid shape): 142.75,47.65 142.89,47.59 142.95,47.45 142.95,46.3 142.89,46.16 142.75,46.1 141.85,46.1 141.71,46.16 141.65,46.3 141.65,47.45 141.71,47.59 141.85,47.65
USB_3P3V on TOP (solid shape): 172.95,25.55 173.09,25.49 173.15,25.35 173.15,24.2 173.09,24.06 172.95,24 172.05,24 171.91,24.06 171.85,24.2 171.85,25.35 171.91,25.49 172.05,25.55
USB_3P3V on TOP (solid shape): 173.4,41.8 173.54,41.74 173.6,41.6 173.6,40.45 173.54,40.31 173.4,40.25 172.55,40.25 172.41,40.31 172.35,40.45 172.35,41.6 172.41,41.74 172.55,41.8
USB_3P3V on TOP (solid shape): 150.78,38.5 151.04,38.39 151.15,38.12 151.15,37.67 151.04,37.41 150.78,37.3 150.32,37.3 150.06,37.41 149.95,37.67 149.95,38.12 150.06,38.39 150.32,38.5
USB_3P3V on BOTTOM (solid shape): 152.05,40.35 152.19,40.29 152.25,40.15 152.25,34.45 152.19,34.31 152.05,34.25 150.15,34.25 150.01,34.31 149.95,34.45 149.95,38.3 150.01,38.44 150.15,38.5 150.55,38.5 150.69,38.56 150.75,38.7 150.75,40.15 150.81,40.29 150.95,40.35
USB_VBUS_P1 on TOP (solid shape): 187.05,12.25 187.26,12.16 187.35,11.95 187.35,11.25 187.26,11.04 187.05,10.95 183.65,10.95 183.44,10.86 183.35,10.65 183.35,8.2 183.26,7.99 183.05,7.9 174.9,7.9 174.69,7.99 174.6,8.2 174.6,8.7 174.69,8.91 174.9,9 182,9 182.21,9.09 182.3,9.3 182.3,11.95 182.39,12.16 182.6,12.25
USB_VBUS_P2 on TOP (solid shape): 187.1,30.45 187.31,30.36 187.4,30.15 187.4,29.45 187.31,29.24 187.1,29.15 181.9,29.15 181.69,29.06 181.6,28.85 181.6,23.9 181.51,23.69 181.3,23.6 176.8,23.6 176.59,23.69 176.5,23.9 176.5,24.55 176.41,24.76 176.2,24.85 176.1,24.85 175.89,24.94 175.8,25.15 175.8,25.65 175.89,25.86 176.1,25.95 179.8,25.95 180.01,26.04 180.1,26.25 180.1,30.15 180.19,30.36 180.4,30.45
USB_VBUS_P3 on TOP (solid shape): 187.15,48.65 187.36,48.56 187.45,48.35 187.45,47.65 187.36,47.44 187.15,47.35 183.1,47.35 182.89,47.26 182.8,47.05 182.8,40.4 182.71,40.19 182.5,40.1 178.05,40.1 177.84,40.19 177.75,40.4 177.75,40.95 177.66,41.16 177.45,41.25 176.75,41.25 176.54,41.34 176.45,41.55 176.45,41.9 176.54,42.11 176.75,42.2 180.9,42.2 181.11,42.29 181.2,42.5 181.2,48.35 181.29,48.56 181.5,48.65
N21280532 on BOTTOM (solid shape): 90.85,60.75 91.03,60.68 91.1,60.5 91.1,60.35 91.03,60.17 90.85,60.1 90.65,60.1 90.47,60.03 90.4,59.85 90.4,59.35 90.33,59.17 90.15,59.1 90.1,59.1 89.92,59.17 89.85,59.35 89.85,60.5 89.92,60.68 90.1,60.75
N21349330 on TOP (solid shape): 17.75,11.55 17.93,11.48 18,11.3 18,10.95 18.07,10.77 18.25,10.7 18.55,10.7 18.73,10.63 18.8,10.45 18.8,6.25 18.73,6.07 18.55,6 17.35,6 17.17,6.07 17.1,6.25 17.1,11.3 17.17,11.48 17.35,11.55
N21350752 on TOP (solid shape): 78.2,21.15 78.41,21.06 78.5,20.85 78.5,19.55 78.41,19.34 78.2,19.25 77,19.25 76.79,19.34 76.7,19.55 76.7,20.85 76.79,21.06 77,21.15
N21398958 on BOTTOM (solid shape): 92.3,98.45 92.65,98.3 92.8,97.95 92.8,95.9 92.65,95.55 92.3,95.4 77.75,95.4 77.57,95.47 77.5,95.65 77.5,97.65 77.57,97.83 77.75,97.9 78.35,97.9 78.7,97.75 78.85,97.4 78.85,97.05 79,96.7 79.35,96.55 91,96.55 91.35,96.7 91.5,97.05 91.5,97.95 91.65,98.3 92,98.45
N21399687 on BOTTOM (solid shape): 162.1,98.45 162.45,98.3 162.6,97.95 162.6,95.65 162.53,95.47 162.35,95.4 153.1,95.4 152.75,95.25 152.45,94.55 152.1,94.4 151,94.4 150.82,94.47 150.75,94.65 150.75,96.15 150.9,96.5 151.25,96.65 160.95,96.65 161.3,96.8 161.45,97.15 161.45,97.86 161.62,98.28 162.04,98.45
N21401311 on BOTTOM (solid shape): 15.75,100.55 15.89,100.49 15.95,100.35 15.95,99.1 15.89,98.96 15.75,98.9 15.1,98.9 14.96,98.84 14.9,98.7 14.9,97.2 14.84,97.06 14.7,97 12.1,97 11.96,97.06 11.9,97.2 11.9,100.35 11.96,100.49 12.1,100.55

Small or netless copper shapes (teardrops, artwork), in the pictures only: 1 on TOP

## Text on the board
Ref Des/Silkscreen Bottom: VDDIO_SD1
Ref Des/Silkscreen Top: CLK_25M | CLK_32k | PWR_BUT | VCC_3V3 | AEC | ZQ | VCC_1V8 | RS485 | 12V_IN | VDDIO_SD0 | AUDIO_AMP | P5V_IN | 5V_USB_IN | MIC | eMMC / SPINAND | DMIC_LR | VDDC | VDDQ_1V35 | VBUS_DET | WIFI_1P8V | VDDIO_SD1 | USB_PORT_SEL | SLAVE | PORT3 | PORT2 | PORT1 | TX | RX | 2022/07/4 | WDMB-0007B-V02
DIMENSION: 200.000mm | 115.000mm | FIGURE | SIZE | 0.2 | 0.25 | 0.7 | 0.85 | 1.0 | 1.1 | 1.8 | 0.325 | 1.5 | 2.4 | 3.4 | 0.7x0.4 | 1.3x0.6 | 3.0x1.0 | 5.0x3.5 | DRILL CHART: TOP to BOTTOM | ALL UNITS ARE IN MILLIMETERS | PLATED | NON-PLATED | QTY | 109 | 1629 | 192 | 2 | 17 | 4 | 6 | 1
